# Altium PCB ultra.PcbDoc (part 6 of 9) (continued)
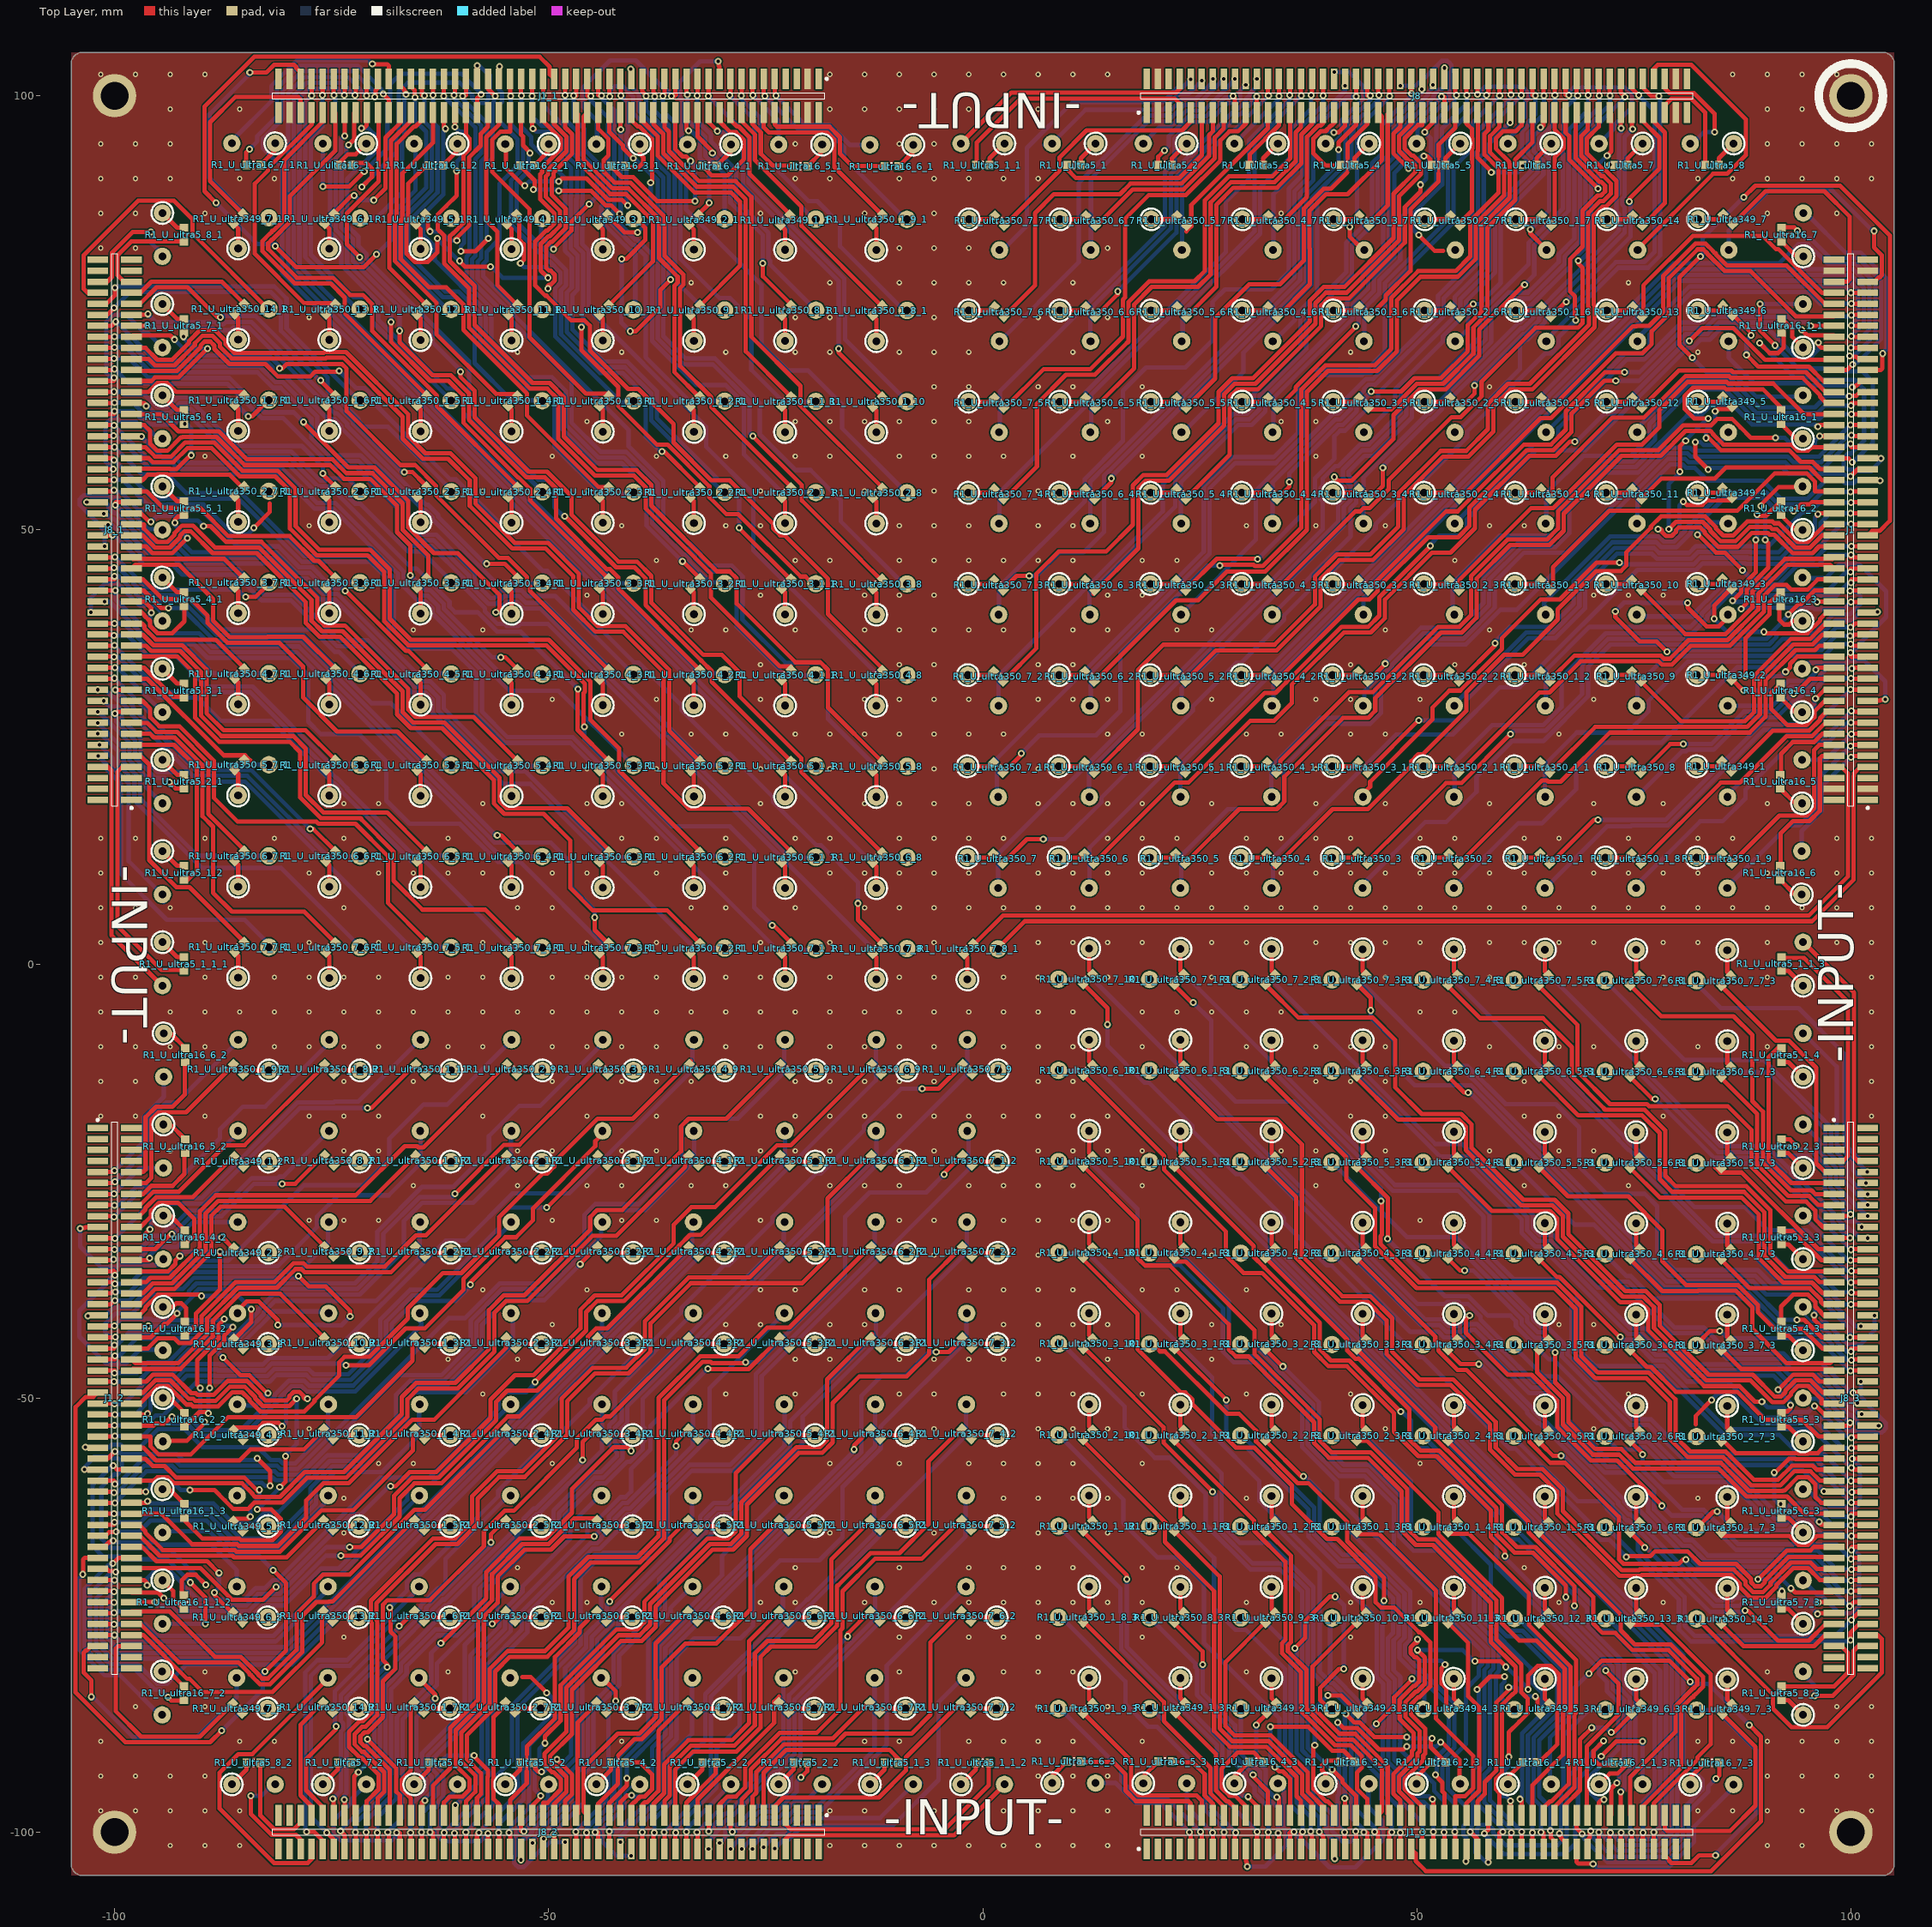
[diagram p0: Top Layer view]
## Nets (pads, with @x,y where several pads share a name; then routed paths per layer and width w, separated by ;. In a path a pad name is that pad's centre, name@x,y a point inside that pad or via, vN(x,y) a via of type N, cw(c..) or ccw(c..) an arc to the next point about the centre after c; other vN are vias at no path point) (continued)
 -80.69,-62.04 -77.833,-59.182 -73.314,-59.182 -66.268,-52.136 -66.268,-50.152 -65.01,-48.895 -60.482,-48.895 -56.236,-44.648 -56.236,-40.145 -54.923,-38.832 -52.472,-38.832 -44.933,-31.293 -42.189,-31.293 -34.278,-23.382 -34.278,-22.098 ; v2(-91.262,-71.247) -89.535,-72.974 v2(-89.535,-76.022) ; -91.161,41.986 -89.296,40.122 -89.296,39.279 -87.01,36.993 -81.011,36.993 -78.283,34.265 -78.283,30.683 -74.371,26.772 -67.412,26.772 -64.198,23.558 ; -91.084,52.502 -90.119,52.502 -86.893,49.276 -79.842,49.276 -76.992,46.427 -76.5,46.427 -74.552,44.478 ; v2(-90.119,-48.844) -90.48,-48.484 -90.48,-45.628 -88.027,-43.176 -88.027,-41.584 v2(-87.355,-40.912) ; v2(-89.764,50.419) -88.956,50.419 -87.163,48.626 -83.097,48.626 -76.668,42.197 -76.668,39.802 -75.848,38.982 -73.478,38.982 -66.168,31.672 -66.168,29.277 -65.348,28.457 -58.658,28.457 -53.569,23.368 -53.238,23.368 ; v2(-89.052,-48.844) -89.052,-45.12 -87.377,-43.445 -87.377,-42.8 -86.411,-41.834 v2(-86.385,-41.834) ; v2(-88.519,-72.415) -88.519,-72.669 -86.437,-74.751 ; v2(-88.316,87.655) -89.652,88.991 -89.652,98.766 -83.922,104.496 -51.045,104.496 -49.865,103.316 -49.865,102.45 -49.365,101.95 ; v2(-87.681,-31.521) -87.579,-31.521 -86.343,-32.757 ; v2(-87.503,-45.339) -87.503,-45.364 -85.485,-47.382 -84.48,-47.382 -82.409,-49.454 v2(-82.347,-49.454) ; -86.5,-94.5 -84.8,-92.8 -84.8,-92 ; -86.385,-43.409 -84.277,-41.3 v2(-84.277,-39.751) ; -86.355,-64.195 -86.068,-63.907 -84.608,-63.907 v2(-84.379,-63.678) ; -86.326,85.274 -85.768,84.716 -85.768,82.407 ; -86.233,-53.391 -83.435,-53.391 -82.912,-52.868 -81.092,-52.868 v2(-80.696,-53.264) ; -86.188,1.367 -85.768,0.947 -85.768,-1.593 ; -86.188,11.867 -85.768,11.447 -85.768,8.907 ; -86.188,22.367 -85.768,21.947 -85.768,19.407 ; -86.188,32.867 -85.768,32.447 -85.768,29.907 ; -86.188,43.367 -85.768,42.947 -85.768,40.407 ; -86.188,53.867 -85.768,53.447 -85.768,50.907 ; -86.188,64.367 -85.768,63.947 -85.768,61.407 ; -86.188,74.867 -85.768,74.447 -85.768,71.907 ; -85.999,-40.076 -84.785,-38.862 -84.684,-38.862 -84.658,-38.887 -83.363,-38.887 -81.204,-41.046 v2(-81.204,-41.605) ; -85.274,-86.326 -84.716,-85.768 -82.407,-85.768 ; -85.249,-75.826 -84.691,-75.268 -82.382,-75.268 ; -85.224,-65.326 -84.666,-64.768 -82.357,-64.768 ; -85.199,-54.826 -84.641,-54.268 -82.332,-54.268 ; -85.192,-12.688 -84.772,-12.268 -82.232,-12.268 ; -85.174,-44.326 -84.616,-43.768 -82.307,-43.768 ; -85.149,-33.826 -84.591,-33.268 -82.282,-33.268 ; -85.124,-23.326 -84.566,-22.768 -82.257,-22.768 ; -85.077,86.246 -89.002,90.17 -89.002,96.952 -86.106,99.847 -78.842,99.847 -78.562,99.568 -78.575,99.555 -78.575,98.05 ; v2(-84.912,42.291) -83.744,42.291 -82.474,43.561 ; -84.836,92.025 -84.836,93.472 v2(-84.455,93.853) ; v2(-84.607,63.068) -84.15,63.068 -82.398,64.821 -81.788,64.821 ; v2(-84.43,102.667) -82.534,102.667 -81.651,103.55 -79.309,103.55 -79.075,103.316 -79.075,103.193 -78.575,102.693 -78.575,101.95 ; v2(-84.303,-95.834) -84.303,-97.917 -81.92,-100.3 -79.126,-100.3 -78.575,-100.851 -78.575,-101.95 ; v2(-83.972,50.216) -82.118,52.07 -82.118,53.039 ; v2(-83.566,-56.947) -82.093,-58.42 v2(-82.093,-60.122) ; -83.21,-92 -83.21,-98.09 -81.651,-99.65 -79.309,-99.65 -78.575,-98.916 -78.575,-98.05 ; -83.2,92.025 -81.5,93.725 -81.5,94.525 ; v2(-82.677,-81.509) -80.239,-79.07 -80.239,-71.323 v2(-81.737,-69.825) ; v2(-81.509,82.677) -79.07,80.239 -71.323,80.239 v2(-69.825,81.737) ; v2(-81.001,68.605) -80.67,68.605 -80.175,69.101 -73.811,69.101 -73.279,68.568 -73.279,63.678 -67.069,57.467 -65.374,57.467 -62.985,55.078 -62.985,54.018 -55.717,46.751 -54.682,46.751 -52.485,44.553 -52.485,43.837 -52.132,43.485 -52.132,42.912 -43.087,33.867 ; v2@-80.81,-60.134 -80.315,-59.639 v2(-80.315,-56.718) ; v2(-80.696,-25.324) -79.197,-25.324 -75.889,-22.016 ; v2(-78.816,-35.941) -77.622,-37.135 -75.692,-37.135 -72.873,-39.954 v2(-72.873,-40.615) ; v2(-78.232,62.408) -78.232,62.367 -73.041,57.175 -70.028,57.175 -66.168,53.315 -66.168,50.277 -63.211,47.32 -60.477,47.32 -55.677,42.52 -55.668,42.529 -55.668,40.903 -56.058,40.513 v2(-56.083,40.513) ; v2(-77.902,-99.974) -77.013,-99.974 -76.035,-100.952 -76.035,-101.95 ; v2(-77.47,15.545) -77.114,15.545 -74.55,12.98 ; v2(-77.318,100.025) -77.343,100.051 -77.343,100.203 -77.305,100.241 -77.305,101.95 ; -77.305,-101.95 -77.305,-103.111 -77.744,-103.55 -81.651,-103.55 -87.9,-97.301 -87.9,-93.158 -85.75,-91.008 -84.125,-91.008 -75.159,-82.042 ; -77.305,-98.05 -77.305,-97.041 -78.588,-95.758 -78.588,-87.63 -76.136,-85.179 ; -77.305,98.05 -77.305,96.685 -82.35,91.64 -82.35,91.359 -83.845,89.864 -83.845,81.788 -78.156,76.098 -75.006,76.098 ; v2(-76.251,67.208) -76.251,67.132 -74.752,65.634 ; v2(-76.048,100.051) -76.035,100.063 -76.035,101.95 ; -76.035,-98.05 -76.035,-97.066 -77.938,-95.163 -77.938,-91.603 -74.549,-88.214 -74.549,-87.884 v2(-74.473,-87.808) ; -76.035,98.05 -76.035,97.015 -80.467,92.583 -80.467,85.728 -81.75,84.445 -81.854,84.445 -81.879,84.419 -81.879,84.316 -82.068,84.127 -82.109,84.127 -82.959,83.278 -82.959,82.076 -79.277,78.395 -75.123,78.395 -73.485,76.756 -73.485,75.364 -73.457,75.336 -73.457,74.905 -64.028,65.476 ; v2(-76.022,89.535) -72.974,89.535 v2(-71.247,91.262) ; -76,-94.5 -74.3,-92.8 -74.3,-92 ; v2(-75.997,56.49) -75.997,56.363 -74.765,55.131 ; -75.826,85.249 -75.268,84.691 -75.268,82.382 ; -75.688,1.342 -75.268,0.922 -75.268,-1.618 ; -75.688,11.842 -75.268,11.422 -75.268,8.882 ; -75.688,22.342 -75.268,21.922 -75.268,19.382 ; -75.688,32.842 -75.268,32.422 -75.268,29.882 ; -75.688,43.342 -75.268,42.922 -75.268,40.382 ; -75.688,53.842 -75.268,53.422 -75.268,50.882 ; -75.688,64.342 -75.268,63.922 -75.268,61.382 ; -75.688,74.842 -75.268,74.422 -75.268,71.882 ; v2(-75.565,-100.051) -74.765,-100.851 -74.765,-101.95 ; -74.867,-86.188 -74.447,-85.768 -71.907,-85.768 ; v2(-74.854,-96.164) -74.765,-96.253 -74.765,-98.05 ; -74.842,-75.688 -74.422,-75.268 -71.882,-75.268 ; -74.817,-65.188 -74.397,-64.768 -71.857,-64.768 ; -74.792,-54.688 -74.372,-54.268 -71.832,-54.268 ; -74.767,-44.188 -74.347,-43.768 -71.807,-43.768 ; -74.765,98.05 -74.6,98.05 -74.6,93.65 -79.817,88.432 -79.817,85.459 -81.799,83.477 -81.84,83.477 -82.309,83.008 -82.309,82.346 -79.008,79.045 -74.854,79.045 -72.876,77.067 -71.401,77.067 -70.332,75.998 -70.332,72.923 -63.929,66.52 -63.926,66.52 -62.865,65.459 -62.865,64.262 -53.708,55.105 ; -74.765,101.95 -74.765,99.936 -74.727,99.974 v2(-74.727,100.051) ; -74.751,86.437 -72.669,88.519 v2(-72.415,88.519) ; -74.742,-33.688 -74.322,-33.268 -71.782,-33.268 ; -74.717,-23.188 -74.297,-22.768 -71.757,-22.768 ; -74.692,-12.688 -74.272,-12.268 -71.732,-12.268 ; -74.348,92.048 -73.127,93.269 -72.593,93.269 -72.231,93.269 -71,94.5 ; v2(-73.965,-99.847) -73.965,-99.898 -73.495,-100.368 -73.495,-101.95 ; v2(-73.939,-68.174) -71.684,-68.174 -67.17,-63.66 -67.17,-61.529 -65.473,-59.832 -62.347,-59.832 -55.995,-53.48 -55.995,-53.426 -54.701,-52.132 -53.377,-52.132 -44.35,-43.105 ; v2(-73.533,-96.266) -73.495,-96.304 -73.495,-98.05 ; v2(-73.533,100.051) -73.495,100.089 -73.495,101.95 ; v2(-73.508,95.377) -73.495,95.39 -73.495,98.05 ; v2(-73.457,42.977) -73.365,42.977 -66.426,36.038 -66.112,36.038 -64.039,33.965 ; v2(-73.355,-46.228) -70.713,-46.228 -66.47,-41.985 -64.972,-41.985 -64.948,-41.961 -64.237,-41.961 -59.83,-37.554 -59.83,-36.311 -55.003,-31.485 -53.76,-31.485 -51.791,-29.515 -51.791,-28.143 -44.625,-20.977 -44.625,-20.418 -43.434,-19.228 ; v2(-73.05,94.336) -72.4,94.986 -72.4,98.05 -72.225,98.05 ; v2(-72.923,-67.183) -71.612,-67.183 -67.82,-63.391 -67.82,-61.26 -65.742,-59.182 -62.67,-59.182 -56.058,-52.57 -56.058,-50.442 -54.764,-49.149 -51.313,-49.149 -45.446,-43.282 -45.47,-43.257 -45.47,-42.926 -44.528,-41.985 -43.255,-41.985 -34.214,-32.944 ; -72.771,92.24 -70.98,92.24 -70.358,91.618 -70.358,90.653 v2(-71.526,89.484) ; v2(-72.314,100.051) -72.314,100.076 -72.225,100.165 -72.225,101.95 ; v2(-72.263,-100) -72.225,-100.038 -72.225,-101.95 ; -72.225,-98.05 -72.4,-97.875 -72.4,-93.584 v2(-71.933,-93.116) ; v2(-71.755,81.407) -73.254,82.906 -73.254,86.462 -69.6,90.115 -69.6,98.05 -69.685,98.05 ; v2(-71.577,96.241) -71.323,96.241 -70.955,96.609 -70.955,98.05 ; v2(-71.018,-100.025) -70.955,-100.089 -70.955,-101.95 ; v2(-70.993,100.025) -70.993,100.101 -70.955,100.139 -70.955,101.95 ; -70.955,-98.05 -70.955,-96.435 -69.6,-95.08 -69.6,-93.365 -71.559,-91.406 -71.761,-91.406 -72.991,-90.176 -72.991,-88.437 -71.761,-87.206 -71.366,-87.206 -70.401,-86.241 -70.401,-75.929 -70.482,-75.848 -70.482,-73.354 -63.296,-66.168 -60.777,-66.168 -58.826,-64.217 -58.826,-61.316 -55.956,-58.445 -53.03,-58.445 -48.514,-53.929 -48.514,-50.089 -44.933,-46.507 -41.067,-46.507 -38.907,-44.348 -38.907,-41.142 -33.884,-36.119 -26.873,-36.119 -23.546,-32.791 ; v2(-70.891,-89.306) -70.872,-89.306 -70.694,-89.484 -70.694,-89.504 -67.55,-92.648 -67.55,-95.349 -67.145,-95.754 -67.145,-98.05 ; v2(-70.891,-16.586) -70.409,-16.586 -65.351,-11.528 ; v2(-70.307,103.683) -70.358,103.632 -68.605,103.632 -68.415,103.442 -68.415,101.95 ; v2(-70.155,87.986) -68.809,89.332 -68.809,95.174 -67.145,96.837 -67.145,98.05 ; v2(-70.028,99.873) -69.952,99.873 -69.952,100.609 -69.685,100.876 -69.685,101.95 ; v2(-69.748,-100.076) -69.685,-100.139 -69.685,-101.95 ; -69.685,-98.05 -69.685,-96.084 -68.95,-95.349 -68.95,-93.096 -71.29,-90.756 -71.492,-90.756 -72.341,-89.907 -72.341,-88.706 -71.492,-87.856 -71.097,-87.856 -69.751,-86.51 -69.751,-75.66 -69.832,-75.578 -69.832,-73.624 -63.026,-66.818 -60.508,-66.818 -58.176,-64.486 -58.176,-61.585 -55.687,-59.095 -52.761,-59.095 -47.864,-54.199 -47.864,-50.358 -44.663,-47.157 -40.798,-47.157 -38.257,-44.617 -38.257,-41.412 -33.614,-36.769 -20.803,-36.769 -17.882,-33.848 -17.882,-27.026 -13.157,-22.301 ; v2(-69.063,100.203) -68.415,99.555 -68.415,98.05 ; v2(-68.605,-81.001) -68.605,-80.67 -69.101,-80.175 -69.101,-73.811 -68.568,-73.279 -63.678,-73.279 -57.467,-67.069 -57.467,-65.374 -55.078,-62.985 -54.018,-62.985 -46.751,-55.717 -46.751,-54.682 -44.553,-52.485 -43.837,-52.485 -43.485,-52.132 -42.912,-52.132 -33.867,-43.087 ; v2(-68.529,-100.025) -68.453,-100.025 -68.402,-100.076 -68.415,-100.089 -68.415,-101.95 ; -68.415,-98.05 -68.3,-97.935 -68.3,-92.827 -71.02,-90.106 -71.223,-90.106 -71.691,-89.638 -71.691,-88.975 -71.223,-88.506 -70.827,-88.506 -69.101,-86.78 -69.101,-82.627 -67.651,-81.177 -67.651,-77.47 -68.199,-76.922 -68.199,-74.295 -68.205,-74.289 -68.205,-74.238 v2(-68.301,-74.143) ; v2(-68.199,-60.173) -67.652,-60.173 -66.011,-58.532 -62.94,-58.532 -56.708,-52.301 -56.708,-50.173 -53.893,-47.358 -51.741,-47.358 -46.345,-41.962 -46.345,-39.835 -44.692,-38.182 -41.611,-38.182 -35.595,-32.166 -35.595,-30.029 -33.582,-28.016 -30.836,-28.016 -23.724,-20.904 -22.123,-20.904 -12.799,-11.58 ; v2(-68.174,73.939) -68.174,71.684 -63.66,67.17 -61.529,67.17 -59.832,65.473 -59.832,62.347 -53.48,55.995 -53.426,55.995 -52.132,54.701 -52.132,53.377 -43.105,44.35 ; v2(-67.513,-100.076) -67.183,-100.076 -67.145,-100.114 -67.145,-101.95 ; v2(-67.208,-76.251) -67.132,-76.251 -65.634,-74.752 ; v2(-67.183,72.923) -67.183,71.612 -63.391,67.82 -61.26,67.82 -59.182,65.742 -59.182,62.67 -52.57,56.058 -50.442,56.058 -49.149,54.764 -49.149,51.313 -43.282,45.446 -43.257,45.47 -42.926,45.47 -41.985,44.528 -41.985,43.255 -32.944,34.214 ; -67.145,101.95 -67.145,101.206 -66.645,100.706 -66.645,100.584 -66.446,100.386 v2(-66.446,100.152) ; v2(-66.624,56.667) -65.71,56.667 -64.351,55.308 ; v2(-65.913,-100.051) -65.913,-100.203 -65.875,-100.241 -65.875,-101.95 ; -65.875,-98.05 -65.875,-96.105 -66.9,-95.08 -66.9,-93.92 -65.875,-92.895 -65.875,-85.115 ; -65.875,98.05 -65.875,97.091 -68.148,94.818 -68.148,86.432 -68.348,86.233 -68.348,80.184 -64.325,76.162 ; -65.875,101.95 -65.875,101.054 -65.456,100.635 -65.456,99.822 v2(-65.405,99.822) ; -65.5,-94.5 -63.8,-92.8 -63.8,-92 ; -65.326,85.224 -64.768,84.666 -64.768,82.357 ; -65.188,1.317 -64.768,0.897 -64.768,-1.643 ; -65.188,11.817 -64.768,11.397 -64.768,8.857 ; -65.188,22.317 -64.768,21.897 -64.768,19.357 ; -65.188,32.817 -64.768,32.397 -64.768,29.857 ; -65.188,43.317 -64.768,42.897 -64.768,40.357 ; -65.188,53.817 -64.768,53.397 -64.768,50.857 ; -65.188,64.317 -64.768,63.897 -64.768,61.357 ; -65.188,74.817 -64.768,74.397 -64.768,71.857 ; -64.821,-81.788 -64.821,-82.398 -63.068,-84.15 v2(-63.068,-84.607) ; v2(-64.643,-100) -64.605,-100.038 -64.605,-101.95 ; -64.605,-98.05 -64.605,-96.584 -64.389,-96.368 v2(-64.237,-96.368) ; -64.605,98.05 -64.605,97.184 -65.339,96.45 -65.505,96.45 -67.498,94.457 -67.498,86.163 -67.698,85.964 -67.698,80.931 -62.941,76.175 -62.941,72.542 -56.037,65.638 -53.556,65.638 ; -64.605,101.95 -64.605,100.114 -64.516,100.025 v2(-64.287,100.025) ; -64.367,-86.188 -63.947,-85.768 -61.407,-85.768 ; -64.342,-75.688 -63.922,-75.268 -61.382,-75.268 ; -64.317,-65.188 -63.897,-64.768 -61.357,-64.768 ; -64.292,-54.688 -63.872,-54.268 -61.332,-54.268 ; -64.267,-44.188 -63.847,-43.768 -61.307,-43.768 ; -64.242,-33.688 -63.822,-33.268 -61.282,-33.268 ; -64.217,-23.188 -63.797,-22.768 -61.257,-22.768 ; -64.195,86.355 -63.907,86.068 -63.907,84.608 v2(-63.678,84.379) ; -64.192,-12.688 -63.772,-12.268 -61.232,-12.268 ; v2(-63.652,-100) -63.398,-100 -63.335,-100.063 -63.335,-101.95 ; -63.525,91.973 -64.091,91.973 -66.198,89.866 -66.198,85.625 -66.398,85.425 -66.398,81.841 -65.405,80.848 -63.932,80.848 -62.84,81.94 v2(-62.84,83.566) ; -63.335,-98.05 -63.335,-94.651 -61.35,-92.666 -61.35,-87.995 -58.115,-84.76 -58.115,-74.9 -56.525,-73.31 -56.525,-70.297 -53.046,-66.818 -50.008,-66.818 -47.046,-63.856 -44.399,-63.856 ; -63.335,98.05 -63.335,94.577 -66.848,91.064 -66.848,85.894 -67.048,85.694 -67.048,81.201 -63.79,77.942 -61.802,77.942 -59.832,75.973 -59.832,73.045 -52.485,65.697 -52.485,63.153 -44.272,54.94 -43.561,54.94 ; -63.335,101.95 -63.335,100.063 v2(-63.322,100.051) ; v2(-62.408,-78.232) -62.367,-78.232 -57.175,-73.041 -57.175,-70.028 -53.315,-66.168 -50.277,-66.168 -47.32,-63.211 -47.32,-60.477 -42.52,-55.677 -42.529,-55.668 -40.903,-55.668 -40.513,-56.058 v2(-40.513,-56.083) ; -62.2,91.975 -60.5,93.675 -60.5,94.475 ; v2(-62.078,99.974) -62.065,99.987 -62.065,101.95 ; -62.065,-101.95 -62.065,-100.063 v2(-62.052,-100.051) ; -62.065,-98.05 -62.065,-96.584 -61.381,-95.9 -59.92,-95.9 -59.1,-95.08 -59.1,-93.92 -60.649,-92.372 -60.649,-92.202 -60.7,-92.151 -60.7,-88.264 -57.465,-85.029 -57.465,-75.169 -55.875,-73.579 -55.875,-70.566 -52.777,-67.468 -49.739,-67.468 -48.209,-65.938 v2(-44.755,-65.938) ; -62.065,98.05 -62.065,96.38 v2(-61.874,96.19) ; v2(-60.884,100.051) -60.795,100.139 -60.795,101.95 ; v2(-60.833,-100.127) -60.795,-100.165 -60.795,-101.95 ; v2(-60.808,-26.492) -55.143,-20.828 -53.365,-20.828 -46.584,-14.046 -46.558,-14.046 -44.221,-11.709 ; v2(-60.808,96.393) -60.795,96.406 -60.795,98.05 ; -60.795,-98.05 -60.795,-96.939 v2(-60.757,-96.901) ; v2(-60.604,91.313) -60.604,88.494 -61.805,87.293 -61.812,87.293 -62.789,86.316 -62.789,84.621 -62.534,84.366 -62.508,84.366 -62.04,83.897 -62.04,80.69 -59.182,77.833 -59.182,73.314 -52.136,66.268 -50.152,66.268 -48.895,65.01 -48.895,60.482 -44.648,56.236 -40.145,56.236 -38.832,54.923 -38.832,52.472 -31.293,44.933 -31.293,42.189 -23.382,34.278 -22.098,34.278 ; v2(-60.579,83.337) -60.579,83.342 -60.731,83.494 -59.154,85.071 -59.154,92.915 -57.836,94.234 -57.836,95.606 -56.985,96.456 -56.985,98.05 ; v2(-60.173,68.199) -60.173,67.652 -58.532,66.011 -58.532,62.94 -52.301,56.708 -50.173,56.708 -47.358,53.893 -47.358,51.741 -41.962,46.345 -39.835,46.345 -38.182,44.692 -38.182,41.611 -32.166,35.595 -30.029,35.595 -28.016,33.582 -28.016,30.836 -20.904,23.724 -20.904,22.123 -11.58,12.799 ; v2@-60.134,80.81 -59.639,80.315 v2(-56.718,80.315) ; v2(-60.122,82.093) -58.42,82.093 v2(-56.947,83.566) ; v2(-59.919,99.949) -59.665,99.949 -59.525,100.089 -59.525,101.95 ; v2(-59.538,-100) -59.525,-100.012 -59.525,-101.95 ; -59.525,-98.05 -59.525,-96.424 -58.45,-95.349 -58.45,-93.481 -60.05,-91.881 -60.05,-88.533 -56.815,-85.298 -56.815,-81.225 -54.737,-79.146 -50.419,-79.146 -47.727,-76.454 -47.727,-70.587 -45.441,-68.301 -39.751,-68.301 -37.338,-65.888 -37.338,-49.987 -32.535,-45.184 -28.116,-45.184 -24.816,-41.885 -22.276,-41.885 -13.043,-32.652 ; -59.525,98.05 -59.525,95.48 -59.1,95.055 -59.1,93.895 -59.804,93.191 -59.804,86.5 -59.832,86.473 -59.832,85.313 -61.008,84.137 -61.063,84.137 -61.39,83.811 -61.39,80.959 -58.532,78.102 -58.532,73.583 -51.867,66.918 -49.883,66.918 -48.245,65.28 -48.245,60.751 -44.379,56.886 -39.876,56.886 -38.182,55.192 -38.182,52.787 -30.613,45.218 -29.152,45.218 -28.332,44.398 -28.332,41.515 -21.565,34.747 -18.707,34.747 -17.832,33.873 -17.832,29.542 -11.585,23.294 ; v2(-59.03,-36.932) -59.03,-36.703 -55.105,-32.779 ; v2(-58.598,-91.161) -58.598,-91.262 -56.985,-92.875 -56.985,-93.586 -57.05,-93.651 -57.05,-97.985 -56.985,-98.05 ; -58.255,-101.95 -58.255,-100.216 -58.09,-100.051 v2(-58.039,-100.051) ; -58.255,-98.05 -58.255,-96.073 -57.8,-95.618 -57.8,-93.212 -59.4,-91.612 -59.4,-88.802 -56.165,-85.568 -56.165,-81.494 -54.468,-79.796 -50.15,-79.796 -47.077,-76.723 -47.077,-70.856 -45.171,-68.951 -39.482,-68.951 -36.688,-66.157 -36.688,-50.256 -32.266,-45.834 -31.342,-45.834 -31.192,-45.984 -27.417,-45.984 v2(-27.305,-45.872) v2@-27.229,-45.796 ; -58.255,101.95 -58.255,103.441 v2(-58.242,103.454) ; -58.217,98.05 -58.217,99.746 v2(-57.785,100.178) ; v2(-57.125,46.101) -55.067,46.101 -53.734,44.767 ; v2(-56.998,-100.178) -56.998,-100.127 -56.985,-100.139 -56.985,-101.95 ; -56.985,101.95 -56.985,100.8 v2(-56.159,99.974) ; v2(-56.667,-66.624) -56.667,-65.71 -55.308,-64.351 ; v2(-56.49,-75.997) -56.363,-75.997 -55.131,-74.765 ; v2(-55.931,14.808) -55.474,14.808 -53.572,12.907 ; v2(-55.753,-100.051) -55.702,-100.101 -55.702,-100.228 -55.715,-100.241 -55.715,-101.95 ; -55.715,-98.05 -55.715,-96.812 -56.335,-96.192 -56.335,-95.145 -56.4,-95.08 -56.4,-93.92 -56.335,-93.855 -56.335,-86.739 -55.029,-85.433 ; -55.715,98.05 -55.715,96.685 -57.186,95.214 -57.186,85.608 -55.918,84.341 -55.918,79.983 -55.931,79.971 -55.931,78.207 -53.772,76.048 ; v2(-55.499,35.331) -54.991,35.331 -53.57,33.91 ; -55,-94.5 -53.3,-92.8 -53.3,-92 ; -54.94,93.675 -54.94,91.694 -52.908,89.662 v2(-52.73,89.662) ; -54.826,85.199 -54.268,84.641 -54.268,82.332 ; -54.688,1.292 -54.268,0.872 -54.268,-1.668 ; -54.688,11.792 -54.268,11.372 -54.268,8.832 ; -54.688,22.292 -54.268,21.872 -54.268,19.332 ; -54.688,32.792 -54.268,32.372 -54.268,29.832 ; -54.688,43.292 -54.268,42.872 -54.268,40.332 ; -54.688,53.792 -54.268,53.372 -54.268,50.832 ; -54.688,64.292 -54.268,63.872 -54.268,61.332 ; -54.688,74.792 -54.268,74.372 -54.268,71.832 ; v2(-54.585,-100.051) -54.534,-100.051 -54.432,-100.152 -54.445,-100.165 -54.445,-101.95 ; -54.445,-98.05 -54.445,-96.304 -52.527,-94.386 -52.527,-93.015 ; -54.445,98.05 -54.445,95.875 -54.47,95.85 -55.58,95.85 -56.49,94.94 -56.49,91.211 -52.218,86.94 -52.218,72.208 -45.707,65.697 -43.307,65.697 ; -54.445,101.95 -54.445,100.089 -54.483,100.051 v2(-54.381,99.949) ; -53.867,-86.188 -53.447,-85.768 -50.907,-85.768 ; -53.842,-75.688 -53.422,-75.268 -50.882,-75.268 ; -53.817,-65.188 -53.397,-64.768 -50.857,-64.768 ; -53.792,-54.688 -53.372,-54.268 -50.832,-54.268 ; -53.767,-44.188 -53.347,-43.768 -50.807,-43.768 ; -53.742,-33.688 -53.322,-33.268 -50.782,-33.268 ; -53.717,-23.188 -53.297,-22.768 -50.757,-22.768 ; -53.692,-12.688 -53.272,-12.268 -50.732,-12.268 ; -53.391,86.233 -53.391,83.435 -52.868,82.912 -52.868,81.092 v2(-53.264,80.696) ; -53.175,-98.05 -53.175,-99.86 -53.137,-99.898 v2(-52.857,-99.898) ; -53.175,98.05 -53.175,95.524 -52.95,95.299 -52.95,94.276 -52.019,93.345 -52.095,93.345 v2(-52.146,93.396) ; -53.175,101.95 -53.175,100.038 v2(-53.137,100) ; -53.162,91.796 -51.607,90.24 -51.607,89.363 v2(-51.765,89.205) ; -53.039,-82.118 -52.07,-82.118 v2(-50.216,-83.972) ; -52.502,-91.084 -52.502,-90.119 -49.276,-86.893 -49.276,-79.842 -46.427,-76.992 -46.427,-76.5 -44.478,-74.552 ; -51.905,-101.95 -51.905,-101.283 v2(-51.867,-101.244) ; -51.905,-98.05 -51.905,-96.965 -50.775,-95.834 v2(-50.902,-95.834) ; -51.905,98.05 -51.905,96.431 -51.613,96.139 -51.714,96.139 v2(-51.791,96.215) ; -51.905,101.95 -51.905,99.987 v2(-51.892,99.974) ; -51.7,91.95 -50,93.65 -50,94.45 ; v2(-51.562,-48.158) -51.562,-48.099 -45.695,-42.232 -45.695,-40.104 -44.423,-38.832 -41.342,-38.832 -34.945,-32.435 -34.945,-32.426 -33.735,-31.217 -32.487,-31.217 -23.317,-22.047 ; -51.537,-91.77 -51.537,-92.697 -51.168,-93.066 v2(-50.825,-93.066) ; v2(-50.673,100.025) -50.635,100.063 -50.635,101.95 ; -50.635,-101.95 -50.635,-100.927 -50.521,-100.813 -50.648,-100.813 v2(-50.597,-100.762) ; -50.635,-98.05 -50.635,-96.634 -50.154,-96.634 -48.6,-95.08 -48.6,-93.92 -49.42,-93.1 -49.623,-93.1 -50.497,-92.225 -50.497,-90.973 -47.976,-88.452 -47.976,-83.366 -41.927,-77.318 -39.533,-77.318 -38.332,-76.117 -38.332,-73.748 -31.402,-66.818 -29.008,-66.818 -27.807,-65.617 -27.807,-62.021 -21.454,-55.668 -18.752,-55.668 -17.932,-54.848 -17.932,-47.853 -12.725,-42.647 ; -50.635,98.05 -50.635,97.065 -48.6,95.03 -48.6,93.87 -50.749,91.721 -50.749,91.184 -50.957,90.976 -50.957,88.072 -49.332,86.448 -49.332,85.288 -50.152,84.468 -50.303,84.468 -51.568,83.203 -51.568,78.148 -50.395,76.975 -50.254,76.975 -47.434,74.155 -45.897,74.155 -45.263,73.521 -45.263,70.667 -40.838,66.243 -39.652,66.243 -35.611,62.201 -35.611,60.049 -31.28,55.718 -29.152,55.718 -24.168,50.733 -24.168,50.177 -23.348,49.357 -22.817,49.357 -17.832,44.373 -17.832,40.311 -11.176,33.655 ; v2(-50.419,-89.764) -50.419,-88.956 -48.626,-87.163 -48.626,-83.097 -42.197,-76.668 -39.802,-76.668 -38.982,-75.848 -38.982,-73.478 -31.672,-66.168 -29.277,-66.168 -28.457,-65.348 -28.457,-58.658 -23.368,-53.569 -23.368,-53.238 ; v2(-50.216,-28.067) -44.277,-22.128 ; v2(-50.089,79.045) -50.918,79.874 -50.918,82.933 -50.033,83.818 -49.883,83.818 -48.682,85.019 -48.682,86.717 -50.307,88.342 -50.307,90.707 -50.099,90.915 -50.099,91.452 -47.95,93.601 -47.95,95.299 -49.365,96.714 -49.365,98.05 ; v2(-50.063,77.775) -50.063,78.135 -49.954,78.245 -49.757,78.245 -49.289,78.713 -49.289,79.376 -49.757,79.845 -49.97,79.845 -50.268,80.143 -50.268,82.664 -49.764,83.168 -49.614,83.168 -48.032,84.749 -48.032,86.986 -49.657,88.611 -49.657,90.438 -49.449,90.646 -49.449,91.182 -47.3,93.332 -47.3,95.568 -48.095,96.363 -48.095,98.05 ; v2(-49.454,82.347) -49.454,82.409 -47.382,84.48 -47.382,85.485 -45.364,87.503 v2(-45.339,87.503) ; v2(-49.403,-100.254) -49.365,-100.292 -49.365,-101.95 ; -49.365,-98.05 -49.365,-96.764 -47.95,-95.349 -47.95,-93.651 -49.151,-92.45 -49.347,-92.45 -49.847,-91.949 -49.847,-91.243 -47.305,-88.7 -47.305,-83.615 -41.658,-77.968 -39.264,-77.968 -37.682,-76.386 -37.682,-74.017 -31.133,-67.468 -28.739,-67.468 -27.157,-65.886 -27.157,-62.29 -21.185,-56.318 -18.483,-56.318 -17.282,-55.117 -17.282,-50.582 -14.199,-47.498 -8.738,-47.498 -6.159,-44.92 -6.159,-36.335 -2.565,-32.741 ; v2(-49.047,-91.618) -49.068,-91.639 -49.068,-91.669 -49.013,-91.669 -47.3,-93.382 -47.3,-95.618 -48.095,-96.413 -48.095,-98.05 ; v2(-48.844,89.052) -45.12,89.052 -43.445,87.377 -42.8,87.377 -41.834,86.411 v2(-41.834,86.385) ; v2(-48.844,90.119) -48.484,90.48 -45.628,90.48 -43.176,88.027 -41.584,88.027 v2(-40.912,87.355) ; v2(-48.158,51.562) -48.099,51.562 -42.232,45.695 -40.104,45.695 -38.832,44.423 -38.832,41.342 -32.435,34.945 -32.426,34.945 -31.217,33.735 -31.217,32.487 -22.047,23.317 ; v2(-48.108,-101.143) -48.095,-101.155 -48.095,-101.95 ; v2(-48.108,100.051) -48.095,100.063 -48.095,101.95 ; v2(-47.117,100.025) -46.889,100.025 -46.825,99.962 -46.825,101.95 ; v2(-46.888,-99.974) -46.825,-100.038 -46.825,-101.95 ; -46.825,-98.05 -46.65,-97.875 -46.65,-87.366 -44.526,-85.242 ; -46.825,98.05 -46.65,97.875 -46.65,92.421 -42.906,88.677 -41.087,88.677 -37.998,85.589 -37.998,80.924 -43.041,75.882 ; v2(-46.634,31.674) -46.672,31.636 -46.672,26.962 -43.193,23.482 ; v2(-46.355,-34.595) -46.355,-34.519 -44.653,-32.817 ; v2(-46.228,73.355) -46.228,70.713 -41.985,66.47 -41.985,64.972 -41.961,64.948 -41.961,64.237 -37.554,59.83 -36.311,59.83 -31.485,55.003 -31.485,53.76 -29.515,51.791 -28.143,51.791 -20.977,44.625 -20.418,44.625 -19.228,43.434 ; v2(-46.101,-57.125) -46.101,-55.067 -44.767,-53.734 ; v2(-45.644,-100.076) -45.644,-100.203 -45.555,-100.292 -45.555,-101.95 ; -45.555,-98.05 -46,-97.605 -46,-92.609 -42.037,-88.646 -39.548,-88.646 -37.643,-86.741 -37.643,-82.448 -37.694,-82.398 -37.694,-78.283 -33.97,-74.559 ; -45.555,98.05 -45.999,97.606 -45.999,92.689 -42.637,89.327 -40.818,89.327 -37.287,85.797 -37.287,81.294 -35.141,79.148 -35.141,78.485 -35.499,78.127 -35.499,68.138 -32.645,65.284 ; -45.555,101.95 -45.555,100.012 -45.517,99.974 v2(-45.136,99.974) ; v2(-44.704,5.359) -44.704,3.912 -43.123,2.331 ; v2(-44.628,-100.025) -44.298,-100.025 -44.285,-100.038 -44.285,-101.95 ; -44.5,-94.5 -42.8,-92.8 -42.8,-92 ; -44.326,85.174 -43.768,84.616 -43.768,82.307 ; -44.285,-98.05 -44.285,-96.711 -42.024,-94.45 -42.024,-92.799 -42.012,-92.786 ; -44.285,98.05 -44.285,96.19 -43.1,95.005 -43.1,93.141 -43.65,92.591 -43.65,91.259 -42.368,89.977 -40.548,89.977 -36.637,86.066 -36.637,81.563 -34.491,79.417 -34.491,78.216 -34.849,77.858 -34.849,68.868 -31.267,65.286 -31.267,64.135 -22.276,55.143 ; -44.285,101.95 -44.285,100.089 -44.221,100.025 v2(-43.917,100.025) ; -44.188,1.267 -43.768,0.847 -43.768,-1.693 ; -44.188,11.767 -43.768,11.347 -43.768,8.807 ; -44.188,22.267 -43.768,21.847 -43.768,19.307 ; -44.188,32.767 -43.768,32.347 -43.768,29.807 ; -44.188,43.267 -43.768,42.847 -43.768,40.307 ; -44.188,53.767 -43.768,53.347 -43.768,50.807 ; -44.188,64.267 -43.768,63.847 -43.768,61.307 ; -44.188,74.767 -43.768,74.347 -43.768,71.807 ; -43.561,-82.474 -42.291,-83.744 v2(-42.291,-84.912) ; -43.409,86.385 -41.3,84.277 v2(-39.751,84.277) ; -43.367,-86.188 -42.947,-85.768 -40.407,-85.768 ; -43.342,-75.688 -42.922,-75.268 -40.382,-75.268 ; -43.317,-65.188 -42.897,-64.768 -40.357,-64.768 ; -43.292,-54.688 -42.872,-54.268 -40.332,-54.268 ; -43.267,-44.188 -42.847,-43.768 -40.307,-43.768 ; -43.242,-33.688 -42.822,-33.268 -40.282,-33.268 ; -43.217,-23.188 -42.797,-22.768 -40.257,-22.768 ; -43.192,-12.688 -42.772,-12.268 -40.232,-12.268 ; v2(-43.028,-99.924) -43.002,-99.949 -43.002,-100.127 -43.015,-100.14 -43.015,-101.95 ; -43.015,-98.05 -43.015,-96.66 -40.996,-94.64 v2(-40.996,-93.802) ; -43.015,98.05 -43.015,95.839 -41.453,94.277 -41.453,93.98 -40.284,92.812 v2(-40.259,92.812) ; -43.015,101.95 -43.015,99.987 v2(-42.951,99.924) ; v2(-42.977,-73.457) -42.977,-73.365 -36.038,-66.426 -36.038,-66.112 -33.965,-64.039 ; -42.685,91.732 -41.58,90.627 -40.279,90.627 -37.51,87.859 v2(-33.147,87.859) ; -41.986,-91.161 -40.122,-89.296 -39.279,-89.296 -36.993,-87.01 -36.993,-81.011 -34.265,-78.283 -30.683,-78.283 -26.772,-74.371 -26.772,-67.412 -23.558,-64.198 ; -41.745,-98.05 -41.745,-96.533 -40.97,-95.758 -40.919,-95.809 -40.869,-95.758 v2(-40.437,-95.758) ; -41.745,98.05 -41.745,96.152 v2(-41.707,96.114) ; v2(-41.681,100.025) -41.681,101.295 ; v2(-41.605,81.204) -41.046,81.204 -38.887,83.363 -38.887,84.658 -38.862,84.684 -38.862,84.785 -40.076,85.999 ; -41.2,91.77 -39.624,91.77 -39.573,91.821 -39.091,92.304 -39.091,92.888 -39.5,93.297 -39.5,94.425 -39.5,93.625 ; -40.919,-91.973 -39.472,-91.973 -38.1,-93.345 -38.1,-95.08 -38.92,-95.9 -39.512,-95.9 -39.637,-96.025 -39.637,-96.089 -40.105,-96.558 -40.17,-96.558 -40.475,-96.863 -40.475,-98.05 ; v2(-40.615,72.873) -39.954,72.873 -37.135,75.692 -37.135,77.622 v2(-35.941,78.816) ; -40.475,98.05 -40.475,97.184 -39.741,96.45 -39.545,96.45 -38.1,95.005 -38.1,90.145 v2(-38.252,89.992) ; v2(-39.218,-100.025) -39.205,-100.038 -39.205,-101.95 ; -39.205,-98.05 -39.205,-96.835 -38.92,-96.55 -38.651,-96.55 -37.35,-95.249 -37.35,-88.353 -34.026,-85.029 ; -39.205,98.05 -39.205,97.092 -37.45,95.337 -37.45,93.112 -33.208,88.87 -29.012,88.87 -27.945,87.803 -27.945,80.437 -32.533,75.849 ; -39.205,101.95 -39.205,100.495 -38.684,99.974 v2(-38.786,99.974) ; -37.935,-101.95 -37.935,-100.19 v2(-37.821,-100.076) ; -37.935,-98.05 -37.935,-96.753 -36.7,-95.518 -36.7,-92.199 -33.909,-89.408 -28.88,-89.408 -26.899,-87.427 -26.899,-77.978 -23.475,-74.554